# Altium PCB WX0.011.103PCB-4.2 .PcbDoc (part 2 of 2)
Units mil, origin at the board's own origin, x right, y up, seen from the top; angles counter-clockwise.
Board outline 10250.25 x 3401.14 mil, 2 copper layers (Top Layer, Bottom Layer); 158 components, 98 nets, 538 pads, 319 vias.
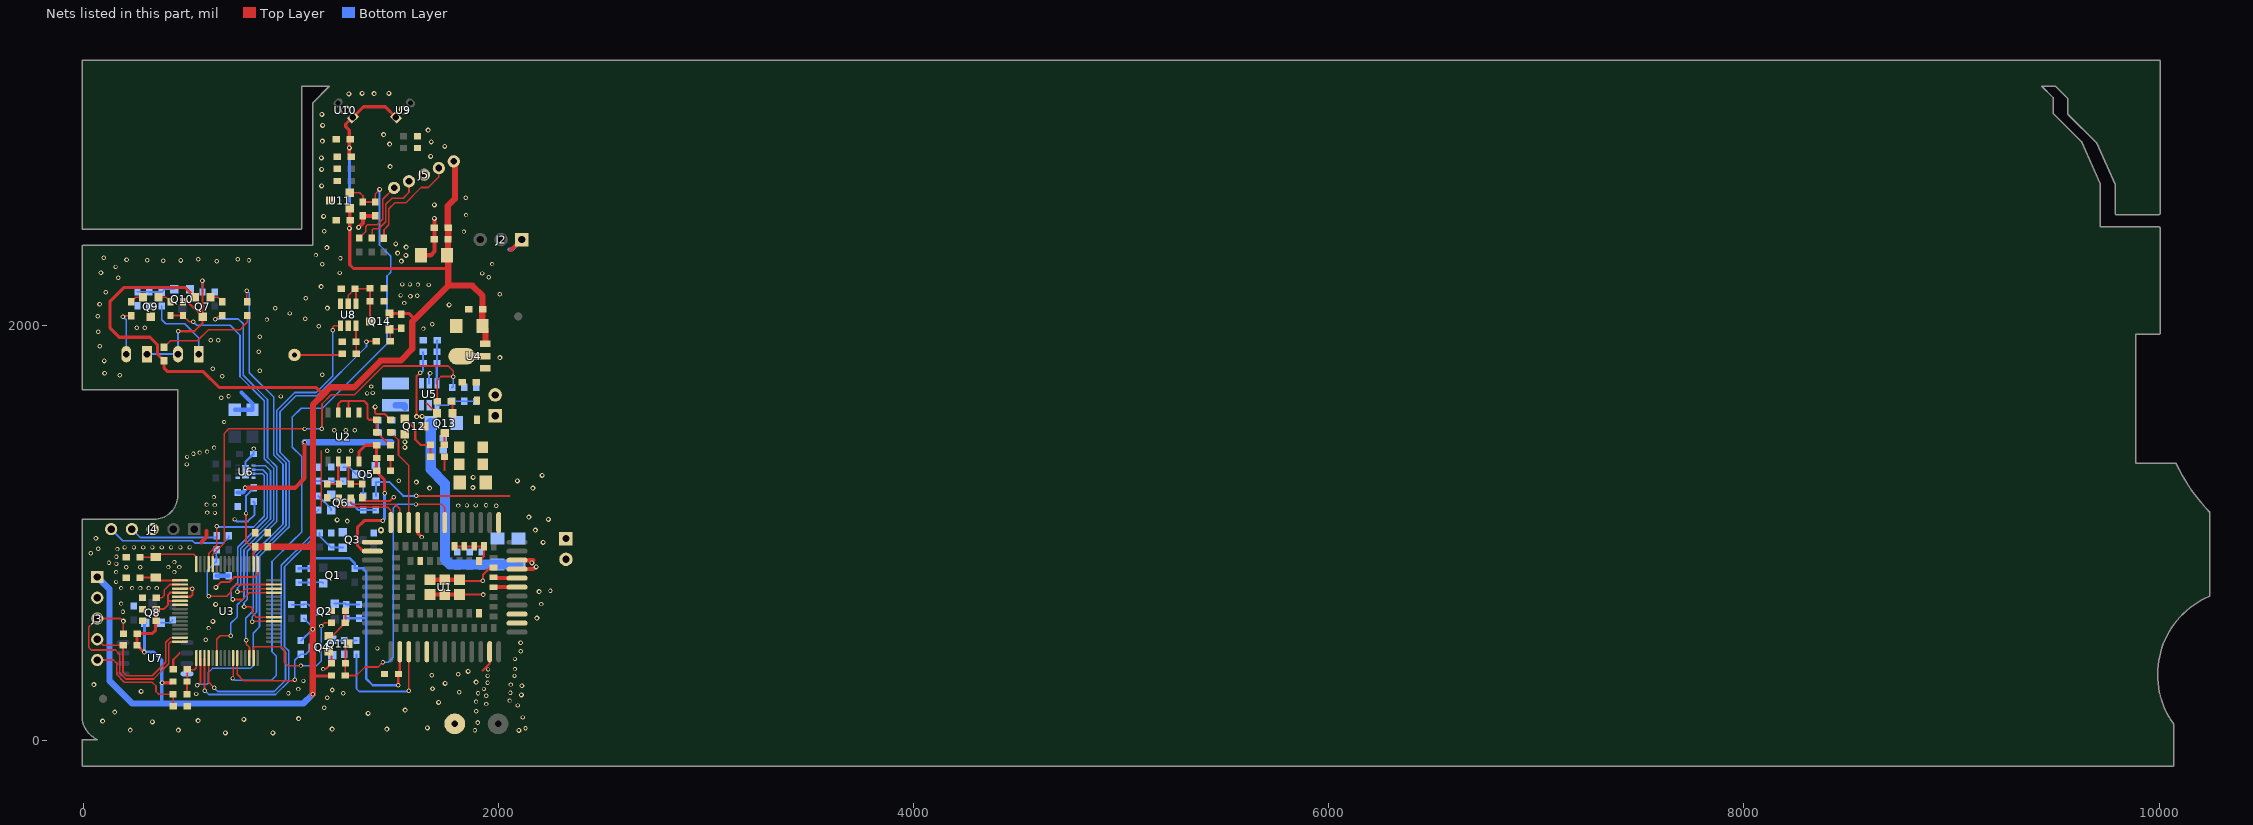
[diagram p2: the nets of this part, all layers, seen from the top]

## Via types
v1: diameter 22, hole 12, Top Layer to Bottom Layer, tented both sides, 121 vias
v2: diameter 20, hole 12, Top Layer to Bottom Layer, tented both sides, 109 vias
v3: diameter 24, hole 12, Top Layer to Bottom Layer, tented both sides, 87 vias
v4: diameter 30, hole 15, Top Layer to Bottom Layer, tented both sides, 1 vias
v5: diameter 21, hole 12, Top Layer to Bottom Layer, tented both sides, 1 vias

## Nets (pads, with @x,y where several pads share a name; then routed paths per layer and width w, separated by ;. In a path a pad name is that pad's centre, name@x,y a point inside that pad or via, vN(x,y) a via of type N, cw(c..) or ccw(c..) an arc to the next point about the centre after c; other vN are vias at no path point) (continued)
GND: C1.1 C2.1 C3.1 C4.1 C5.1 C8.1 C9.1 C10.1 C11.1 C12.1 C13.1 C14.1 C15.2 C16.1 C17.1 C18.1 C19.1 C20.1 C21.1 C22.1 C23.1 C24.1 C25.1 C26.1 C27.1 C29.1 C30.1 C31.1 C32.1 C33.1 C34.1 C35.1 C36.2 C37.1 C38.1 C39.1 C40.1 C41.1 C42.1 C43.2 C44.2 C47.2 C48.1 C49.1 C50.1 C51.1 C52.2 C53.2 C54.1 C55.2 C56.2 C57.2 C58.2 C59.2 C60.1 C61.1 C62.2 D3.1 E1.2 J1.2 J2.1 J3.2 J4.3 J5.3 P1.2 Q3.2 Q4.2 Q6.2 Q9.3 Q10.2 Q11.2 Q13.2 R10.1 R12.1 R13.1 R24.2 R27.1 R28.1 R36.1 R37.1 R44.1 U1.1 U1.10 U1.27 U1.34 U1.36 U1.37 U1.40 U1.41 U1.45 U1.46 U1.47 U1.48 U1.70 U1.71 U1.72 U1.73 U1.88 U1.89 U1.90 U1.91 U1.92 U1.93 U1.94 U1.95 U2.1 U3.33 U3.51 U3.53 U4.1 U5.2 U6.9 U7.4 U8.2 U8.6 U9.2 U10.2 U11.3 | length 3819.9
  Top Layer w8: 1147.06,1123.53 1147.06,1395.53
  Top Layer w10: C18.1@434.26,343.23 434.26,389.74 465.06,420.53 ; U3.53@466.69,692.64 517.17,692.64 527.06,702.53 527.06,722.53 517.58,732.01 U3.51@466.69,732.01 ; v3(639.06,737.53) 666.06,764.53 705.3,764.53 728.15,787.38 823.91,787.38 840.7,804.17 U3.33@840.7,850.11 ; v2(1156.06,344.53) 1168.82,344.53 C50.1@1196.82,372.53 1196.82,415.13 Q11.2@1182.82,429.13 ; C12.1@1345.06,1169.29 1359.82,1154.53 1478.06,1154.53 v1(1496.06,1172.53) ; v3(1407.06,1607) 1407.06,1579 1413.03,1573.03 1453.66,1573.03 C14.1@1481.16,1545.53 ; C10.1@1481.16,1299.53 C11.1@1481.16,1361.03 ; 1655.06,1624 1702.82,1576.24 Q13.2@1704.66,1576.24 ; U1.48@1789.31,935.82 U1.47@1836.55,935.82 U1.46@1883.8,935.82 U1.45@1931.04,935.82 1931.04,888.57 U1.73@1907.42,864.95 ; U1.94@1802.06,703.53 U1.94@1812.93,703.53 v1(1928.06,703.53) ; U1.89@1812.93,774.4 1817.8,769.53 v1(1926.06,769.53) 1926.06,798.53 1960.98,833.46 U1.72@1976.32,833.46 ; 1925.06,337.53 1958.6,371.07 U1.34@1958.6,427.94
  Top Layer w15: U1.10@1612.14,1049.99 1612.14,999.46 v2(1631.06,980.53)
  Top Layer w20: 570.66,955.5 595.06,979.9 595.06,1009 ; v3(1327.06,2471.53) 1348.06,2492.53 C58.2@1348.06,2527.53 C57.2@1403.06,2527.53 ; C49.1@1627.38,2337.99 1674.99,2337.99 1692.06,2355.06 v3(1692.06,2515) ; U1.92@1671.2,703.53 U1.93@1742.06,703.53 U1.94@1802.06,703.53 ; U1.91@1671.2,774.4 U1.90@1742.06,774.4 U1.89@1812.93,774.4 ; U1.70@1976.32,738.97 U1.40@2090.49,738.97 U1.40@2104.49,738.97 ; U1.71@1976.32,786.21 1980.25,782.27 U1.41@2090.49,782.27 U1.41@2104.49,782.27 ; 2061.91,2362.39 J2.1@2113.06,2413.53
  Bottom Layer w10: v2(730.06,1065.53) 740.06,1055.53 793.01,1055.53 826.06,1088.58 826.06,1146.04 C35.1@821.06,1151.04 ; U6.9@782.46,1295.05 782.46,1342.44 C37.1@820.55,1380.53 820.55,1405.03 v2(822.06,1406.53) ; C26.1@1420.06,1542.53 1420.06,1484.04 C27.1@1421.57,1482.53 ; U5.2@1666.06,1720.53 1666.06,1763.53 v1(1671.06,1768.53) ; 2048.06,2365.53 2054,2365.53
  Bottom Layer w20: C47.2@642.06,793.03 642.57,793.53 C48.1@701.06,793.53 ; R36.1@731.06,1593.53 R37.1@816.06,1593.53 816.06,1623.53 763.06,1676.53 ; 2054,2365.53 2065.06,2365.53 J2.1@2113.06,2413.53
  other v1: 153.06,137.53 1162.06,158.53 1175.06,205.53 1253.06,227.53 1811.06,233.53 1200.06,243.53 1683.06,249.53 1680.06,314.53 1807.06,318.53 2108.06,430.53 2107.06,470.53 526.29,732.01 208.06,835.53 37.06,902 73.06,923.53 62.06,973.53 1273.06,1057.53 1223.06,1062.53 1520.06,1252.53 1177.06,1395.53 1234.06,1395.53 1291.06,1395.53 1210.06,1494.53 1265.06,1495.53 1309.06,1495.53 666.06,1651.53 671.06,1754.53 177.06,1760.53 1152.06,1762.53 103.06,1768.53 850.06,1780.53 624.06,1790.53 101.06,1828.53 847.06,1873.53 81.06,1898.53 615.06,1927.53 651.06,1927.53 851.06,1945.53 73.06,1968.53 296.06,1987.53 258.06,1989.53 1136.06,1996.53 1681.06,2005.53 1071.06,2031.53 71.06,2043.53 926.06,2082.53 79.06,2101.53 1072.06,2131.53 1577.06,2139.53 1610.06,2143.53 2006.06,2150.53 108.06,2158.53 169.06,2228.53 1954.06,2231.53 86.06,2252.53 1151.06,2294.53 643.06,2308.53 387.06,2310.53 471.06,2312.53 308.06,2314.53 209.06,2316.53 555.06,2317.53 744.06,2318.53 100.06,2326.53 1162.06,2453.17 1843.06,2614.53
  other v2: 1887.06,49.53 2131.06,59.53 2118.06,111.53 1894.06,141.53 2094.06,169.53 1942.06,175.53 1893.06,187.53 2054.06,192.53 1942.06,215.53 545.06,224.53 989.06,227.53 1903.06,227.53 2058.06,230.53 1036.06,247.53 1931.06,248.53 2060.06,269.53 1948.06,278.53 1061.06,287.53 1948.06,311.53 2078.06,311.53 1951.06,342.53 2080.06,344.53 2080.06,393.53 1418.06,443.53 591.06,485.53 604.06,541.53 192.06,620.53 2207.06,657.53 183.06,659.53 2251.06,721.53 183.06,734.53 236.06,734.53 275.73,734.53 315.4,734.53 355.06,734.53 159.06,764.53 159.06,811.53 440.06,811.53 275.06,834.53 411.06,835.53 463.06,835.53 160.06,850.53 124.06,856.53 440.06,859.53 160.06,885.53 165.06,922.53 200.06,930.53 244.78,930.53 289.49,930.53 334.21,930.53 378.92,930.53 423.63,930.53 468.35,930.53 513.06,930.53 635.06,1096.53 598.06,1098.53 1990.06,1131 1807.06,1131.53 1849.06,1132.53 1891.06,1132.53 1941.06,1133.53 634.06,1134.53 595.06,1136.53 630.06,1172.53 499.06,1330 501.06,1366 531.06,1381.53 561.06,1387 597.06,1392 631.06,1411.53 679.06,1534.53 952.06,1657.53 701.06,1658.53 1368.06,1672 1395.06,1675 1388.06,1705.53 1639.06,1984.53 885.06,2027.53 995.06,2057.53 1547.06,2107.53 1529.06,2144.53 1665.06,2194.53 1613.06,2196.53 1537.06,2197.53 1574.06,2197.53 1923.06,2250.53 1236.06,2252.53 156.06,2281.53 1970.06,2295.53 799.06,2313.53 1239.06,2323.53 1121.06,2338.17 1834.06,2452 1845.06,2531
  other v3: 685.06,36.53 914.06,37.53 2099.06,49 227.06,50.53 459.06,50.53 1200.06,55.53 1463.06,55.53 1658.06,61.53 1901.06,86.53 334.06,90.53 94.06,93.53 554.06,95.53 774.06,101.53 1038.06,105.53 1373.06,130.53 1551.06,146.53 1712.06,183.53 2111.06,220.53 279.06,236.53 2113.06,264 52.06,269.53 1744.06,275.53 1893.06,281.53 1855.06,333.53 625.06,574.53 2186.06,590 638.06,655.53 2197.06,718 2216.06,955 2179.06,1014 2241.06,1065 2147.06,1076 1669.06,1216 2167.06,1216 1877.06,1219 1605.06,1245 2092.06,1251 1879.06,1268 2211.06,1277 2007.06,1844.53 1177.06,2082.53 1763.06,2098.53 1146.06,2186.53 1533.06,2309 1554.57,2337.61 1515.44,2348.33 1174.06,2374 1556,2377 1506.07,2393 1159.06,2525.17 1692.08,2580 1149.06,2671.53 1149.06,2751.53 1479.06,2764.53 1148.06,2806.53 1674.06,2813.53 1742.06,2862.53 1476.06,2873.53 1677.06,2883.53 1152.06,2887.53 1447.06,2918.53 1662.06,2940.53 1154.06,2963.53 1150.06,3016.53 1280.06,3115.53 1402.06,3116.53 1344.06,3117.53 1473.06,3117.53
  other v4: 1435.06,1013.53
IR_EN: R33.1 U3.23 | length 1866.2
  Top Layer w8: v1(637.06,2030.53) 639.06,2030.53 655.82,2047.29 R33.1@671.06,2047.29 ; v1@774.06,650.11 v1@779.64,644.53 ; v1(775.06,644.53) v1@779.64,644.53 ; U3.23@919.43,594.21 834.81,594.21 826.49,602.53 826.06,602.53 816.06,612.53 816.06,635.53 807.06,644.53 v1@779.64,644.53
  Bottom Layer w8: v1(637.06,2030.53) 748.06,2030.53 771.06,2007.53 771.06,1759.96 888.06,1642.96 888.06,1363.39 932.56,1318.89 932.56,1055.07 790.06,912.57 790.06,679.53 775.06,664.53 v1(775.06,644.53)
IR_TX: R35.1 R40.1 U3.6 | length 2140.3
  Top Layer w8: R40.1@421.06,2047.29 R35.1@481.06,2047.29 510.82,2017.53 v1(530.06,2017.53) ; U3.6@643.85,397.37 643.85,488.32 660.06,504.53 v1(711.06,504.53)
  Bottom Layer w8: v1(530.06,2017.53) 547.06,2000.53 708.06,2000.53 756.06,1952.53 756.06,1753.75 873.06,1636.75 873.06,1357.18 917.56,1312.68 917.56,1061.28 775.06,918.78 775.06,685.75 763.85,674.53 762.64,674.53 742.06,653.96 742.06,595.53 711.06,564.53 v1(711.06,504.53)
KEY: U3.22 U8.1 | length 1824.6
  Top Layer w8: v1@812.06,574.53 U3.22@919.43,574.53 ; v1(1202.06,1976) 1202.06,1991 1209.6,1998.53 U8.1@1239.56,1998.53
  Bottom Layer w8: v1(814.06,572.53) 814.06,597.75 835.06,618.75 835.06,893.93 976.13,1035 976.79,1035 977.56,1035.77 977.56,1337.53 933.06,1382.03 933.06,1590.03 1019.57,1676.53 1122.38,1676.53 1202.06,1756.21 v1(1202.06,1976)
KEY_VCC: R41.2 U3.2 | length 2406.8
  Top Layer w8: v1(550.06,266.53) 565.11,281.58 U3.2@565.11,397.37 ; v1(1365.06,1922) 1366.06,1923 R41.2@1412.06,1923
  Bottom Layer w8: v1(550.06,266.53) 554.06,270.53 596.06,270.53 603.06,277.53 603.06,327.53 623.06,347.53 806.06,347.53 819.06,360.53 819.06,516.96 850.06,547.96 850.06,887.72 982.35,1020 983,1020 992.56,1029.56 992.56,1343.74 948.06,1388.24 948.06,1583.81 1025.78,1661.53 1128.6,1661.53 1365.06,1898 v1(1365.06,1922)
LED0: R29.2 U3.14 | length 1977.2
  Top Layer w8: v1(786.06,482.53) 786.06,464.53 801.33,449.26 U3.14@801.33,397.37 ; v1(789.06,2167.53) 789.06,2116.29 R29.2@791.06,2114.29
  Bottom Layer w8: v1(786.06,482.53) 784.06,484.53 784.06,588.96 820.06,624.96 820.06,900.14 962.56,1042.64 962.56,1331.32 918.06,1375.82 918.06,1655.39 801.06,1772.39 801.06,2155.53 v1(789.06,2167.53)
MI_CTL: C57.1 C58.1 U3.10 U11.2 | length 3255.4
  Top Layer w8: v2@722.59,299.53 U3.10@722.59,397.37 ; U11.2@1284.31,2638.94 1332.13,2638.94 1348.06,2623 C58.1@1348.06,2594.53 C57.1@1408.06,2594.53 1408.06,2634 1428.06,2654 v3(1428.06,2655)
  Bottom Layer w8: v2(720.06,299.53) 729.06,290.53 907.49,290.53 930.06,313.11 930.06,407.32 910.06,427.32 910.06,862.86 1007.2,960 1007.86,960 1052.56,1004.71 1052.56,1368.6 1008.06,1413.1 1008.06,1558.96 1050.64,1601.53 1153.45,1601.53 1464,1912.08 1464,2238.05 1482.06,2256.11 1482.06,2333 1428.06,2387 v3(1428.06,2655)
NetC6_1: C6.1 Q1.1 R3.2 | length 119.8
  Bottom Layer w8: R3.2@1039.06,761.2 1096.31,761.2 C6.1@1097.06,761.96 1152.66,761.96 Q1.1@1156.82,757.8
NetC7_2: C7.2 Q2.1 R4.1 | length 118.9
  Bottom Layer w10: Q2.1@1212.31,659.27 1263.66,659.27 R4.1@1268.06,654.87 1328.31,654.87 C7.2@1329.06,655.62
NetC12_2: C12.2 R15.1 U2.7 | length 169.3
  Top Layer w10: U2.7@1279.06,1344.53 1279.06,1245.87 R15.1@1289.4,1235.53 1344.31,1235.53 C12.2@1345.06,1236.29
NetC13_2: C13.2 R16.1 U2.6 | length 167.1
  Top Layer w10: C13.2@1175.06,1236.29 R16.1@1227.06,1236.29 ; U2.6@1229.06,1344.53 1229.06,1238.29 R16.1@1227.06,1236.29 ; R16.1@1232.73,1235.53 1231.98,1236.29 R16.1@1227.06,1236.29
NetC14_2: C14.2 R14.1 R17.1 U2.2 U2.3 | length 515.7
  Top Layer w10: U2.3@1229.06,1580.76 1229.06,1621.53 1243.06,1635.53 1279.06,1635.53 ; U2.2@1279.06,1580.76 1279.06,1635.53 ; R14.1@1480.92,1422.53 1477.42,1422.53 R17.1@1414.92,1485.03 1414.16,1485.79 C14.2@1414.16,1545.53 1376.53,1545.53 1370.06,1552 1370.06,1619 1353.53,1635.53 1279.06,1635.53
NetC15_1: C15.1 D1.2 U4.2
NetC23_2: C23.2 U3.50 | length 155.5
  Top Layer w8: C23.2@352.57,688.53 380.06,688.53 390.06,698.53 390.06,724.53 417.22,751.69 U3.50@466.69,751.69
NetC28_1: C28.1 R25.1 R28.2 U5.3 | length 208.2
  Bottom Layer w10: U5.3@1703.56,1720.53 1703.56,1814.93 C28.1@1705.16,1816.53 1705.16,1872.29 R25.1@1704.92,1872.53 1704.92,1926.53 R28.2@1705.92,1927.53
NetC32_2: C32.2 R26.2 R27.2 U5.4 | length 197.5
  Bottom Layer w8: U5.4@1704.56,1616 1761.03,1616 R26.2@1779.06,1634.03 1836.07,1634.03 C32.2@1836.56,1634.53 1893.33,1634.53 R27.2@1894.06,1633.79
NetC39_2: C39.2 C61.2 C62.1 Q14.3 U8.4 U8.5 | length 394.7
  Top Layer w8: U8.5@1277.06,2103.53 1277.06,2144 C62.1@1310.06,2177 ; U8.4@1314.56,2103.53 1314.56,2172.5 C62.1@1310.06,2177 ; Q14.3@1381.82,2019 1381.82,2178.76 1380.06,2177 C62.1@1310.06,2177
NetC40_2: C40.2 R50.2 U8.3 | length 135.3
  Top Layer w8: U8.3@1314.56,1998.53 1314.56,1921.03 C40.2@1315.06,1920.53 1315.06,1863.78 R50.2@1315.31,1863.53
NetC44_1: C44.1 Q10.1 R42.1 R44.2 | length 184
  Bottom Layer w8: R44.2@262.06,2161.27 318.31,2161.27 C44.1@319.06,2160.52 378.57,2160.52 R42.1@379.06,2160.02 393.31,2174.27 Q10.1@439.66,2174.27
NetC60_2: C60.2 J3.5 R30.2 | length 539.9
  Top Layer w8: J3.5@68.05,387.85 146.75,387.85 162.06,372.53 162.06,318.11 198.64,281.53 332.06,281.53 351.06,262.53 351.06,236.58 364.06,223.58 R30.2@433.51,223.58 434.06,223.02 C60.2@434.06,164.53
NetD4_2: D4.2 R29.1 | length 483.5
  Top Layer w8: D4.2@390.06,1894.53 421.06,1925.53 550.28,1925.53 604.28,1979.53 756.06,1979.53 791.06,2014.53 R29.1@791.06,2047.29
NetD6_1: D6.1 R42.2 | length 358.6
  Bottom Layer w8: R42.2@379.06,2093.02 379.06,2026.53 398.06,2007.53 489.06,2007.53 557.2,1939.39 D6.1@557.2,1861.53
NetD6_2: D6.2 D7.1 Q7.3 R35.2 R39.2 | length 808.1
  Top Layer w10: D6.2@457.06,1868.53 D6.2@457.06,1881.53 ; v1(459.06,1971.53) 536.18,1971.53 576.06,2011.42 Q7.3@576.06,2041.29 ; R35.2@481.06,2114.29 503.06,2114.29 Q7.3@576.06,2041.29 ; v1@574.06,2216.53 v1(575.06,2215.53) 576.06,2214.53 Q7.3@576.06,2041.29
  Bottom Layer w10: D7.1@292.06,1868.53 D7.1@300.06,1868.53 ; D7.1@300.06,1861.53 D7.1@307.95,1861.53 D6.2@457.2,1861.53 457.2,1969.68 v1(459.06,1971.53) ; R39.2@575.06,2161.02 v1(575.06,2215.53)
NetD7_2: D7.2 R43.2 | length 228.1
  Top Layer w8: v1(192.06,2042.53) 195.82,2046.29 R43.2@231.06,2046.29
  Bottom Layer w8: v1(192.06,2042.53) 207.95,2026.64 D7.2@207.95,1861.53
NetJ4_4: J4.4 R48.2 | length 433.3
  Bottom Layer w8: J4.4@235.06,1018.53 275.59,978.01 643.06,978.01 R48.2@643.06,986.53
NetJ4_5: J4.5 R49.2 | length 614.1
  Bottom Layer w8: J4.5@135.06,1018.53 191.06,962.53 526.07,962.53 537.07,951.53 676.06,951.53 701.06,976.53 R49.2@701.06,986.53
NetJ5_2: J5.2 R45.2 | length 499.2
  Top Layer w8: R45.2@1449.06,2420 1449.06,2460 1473.06,2484 1473.06,2562 1502.06,2591 1555.06,2591 1628.06,2664 1663,2664 1713.67,2714.67 J5.2@1713.67,2758.12
NetJ5_4: J5.4 R46.2 | length 394
  Top Layer w8: R46.2@1391.06,2421 1391.06,2432 1393.06,2434 1393.06,2460 1398.56,2465.5 1424.56,2465.5 1458.06,2499 1458.06,2583 1488.06,2613 1542.06,2613 1569.81,2640.75 J5.4@1569.81,2694.07
NetJ5_5: J5.5 R47.2 | length 337.7
  Top Layer w8: R47.2@1330.06,2421 1361.06,2452 1361.06,2475 1370.06,2484 1416.46,2484 1443.06,2510.61 1443.06,2607.23 J5.5@1497.88,2662.04
NetKT1_1: KT1.1 R50.1 | length 232.6
  Top Layer w10: KT1.1@1018.21,1857.6 1242.37,1857.6 R50.1@1248.31,1863.53
NetL1_2: L1.2 U5.1
NetQ2_3: Q2.3 R6.2 R7.1 | length 129.3
  Bottom Layer w8: R7.1@1003.06,654.87 1062.06,654.87 R6.2@1063.06,655.87 1083.82,655.87 Q2.3@1117.82,621.87
NetQ3_1: Q3.1 R9.1 R10.2 | length 149.7
  Bottom Layer w10: R9.1@1139.06,999.53 1139.06,984.53 1194.46,929.13 Q3.1@1250.82,929.13
NetQ4_1: Q4.1 R11.2 R12.2 | length 118.2
  Bottom Layer w10: Q4.1@1200.31,485.94 1203.71,482.53 R12.2@1257.06,482.53 R11.2@1317.06,482.53
NetQ5_1: Q5.1 R20.2 | length 168.4
  Bottom Layer w8: R20.2@1350.06,1177.53 1350.06,1260.69 Q5.1@1410.31,1320.94
NetQ5_3: Q5.3 R22.1 | length 76.4
  Bottom Layer w8: R22.1@1253.06,1316.53 1282.82,1316.53 Q5.3@1315.82,1283.53
NetQ6_1: Q6.1 R21.2 | length 93.6
  Bottom Layer w10: R21.2@1134.06,1177.53 1194.82,1116.78 Q6.1@1194.82,1109.13
NetQ6_3: Q6.3 R19.1 R20.1 | length 135.7
  Bottom Layer w10: Q6.3@1289.31,1146.53 1325.31,1110.53 R20.1@1350.06,1110.53 R19.1@1410.06,1110.53
NetQ7_1: Q7.1 R33.2 | length 66.5
  Top Layer w8: Q7.1@613.46,2135.78 649.57,2135.78 R33.2@671.06,2114.29
NetQ8_1: Q8.1 R38.2 | length 64.1
  Bottom Layer w8: Q8.1@373.46,567.29 418.82,567.29 R38.2@432.06,580.53
NetQ9_1: Q9.1 R40.2 | length 66.5
  Top Layer w8: Q9.1@363.46,2135.78 399.57,2135.78 R40.2@421.06,2114.29
NetQ9_2: Q9.2 R43.1 | length 66.9
  Top Layer w8: R43.1@231.06,2113.29 253.55,2135.78 Q9.2@288.66,2135.78
NetQ11_1: Q11.1 R13.2 R51.1 | length 165
  Top Layer w8: Q11.1@1182.82,503.94 1199.46,503.94 R51.1@1263.06,567.53 1264.06,568.53 R13.2@1264.06,625.53
NetQ12_1: Q12.1 R23.1 R31.2 | length 262.1
  Top Layer w10: Q12.1@1549.06,1550.8 1600.06,1499.8 1600.06,1450 1626.06,1424 R31.2@1673.06,1424 1674.06,1423 R23.1@1674.06,1368
NetQ13_1: Q13.1 R32.1 | length 58.4
  Top Layer w10: Q13.1@1779.46,1576.24 1779.46,1632.4 R32.1@1781.06,1634
NetQ13_3: Q13.3 R31.1 | length 58.6
  Top Layer w10: R31.1@1740.06,1424 1740.06,1479.76 Q13.3@1742.06,1481.76
NetQ14_1: Q14.1 R34.1 R41.1 | length 117.3
  Top Layer w8: R41.1@1479.06,1923 1479.06,1978.84 Q14.1@1476.31,1981.6 1527.66,1981.6 R34.1@1532.06,1986
OPEN: C47.1 R48.1 U3.31 | length 591.4
  Top Layer w8: v1(606.06,695.53) 692.47,695.53 713.56,716.63 713.56,728.96 736.3,751.69 U3.31@919.43,751.69
  Bottom Layer w8: v1(606.06,695.53) 598.06,703.53 598.06,818.8 639.29,860.03 C47.1@642.06,860.03 642.06,918.53 R48.1@643.06,919.53
OUT_A: U3.29 U6.6 | length 959.8
  Top Layer w8: v1(720.06,679.53) 767.64,679.53 800.43,712.32 U3.29@919.43,712.32
  Bottom Layer w8: v1@713.56,685.03 713.56,728.96 745.06,760.46 745.06,931.21 887.56,1073.71 887.56,1283.03 865.7,1304.9 U6.6@819.87,1304.9
OUT_B: U3.30 U6.5 | length 923.9
  Top Layer w8: v1(743.56,716.53) 769.06,716.53 784.54,732.01 U3.30@919.43,732.01
  Bottom Layer w8: v1(743.56,716.53) 743.56,735.03 760.06,751.53 760.06,925 902.56,1067.5 902.56,1299.03 877.02,1324.58 U6.5@819.87,1324.58
OUT_EN: U3.45 U6.7 | length 693.8
  Top Layer w8: U3.45@604.48,850.11 604.48,901.48 644,941 v1(644,1031.64)
  Bottom Layer w8: v1@651,1028.53 821.17,1028.53 872.56,1079.92 872.56,1276.82 864.17,1285.22 U6.7@819.87,1285.22
PWR_EN: R26.1 R32.2 U3.44 | length 2243.4
  Top Layer w8: U3.44@624.16,850.11 624.16,896.16 680.06,952.06 680.06,1479.53 702.06,1501.53 v2(1067.06,1501.53) ; v1(1150.56,1502.03) 1151.06,1502.53 1151.06,1621.53 1196.06,1666.53 1307.06,1666.53 1445.06,1804.53 1759.06,1804.53 1783.06,1780.53 v1(1783.06,1753.53) 1723.6,1753.53 1706.06,1736 R32.2@1706.06,1634
  Bottom Layer w8: v2@1062.56,1502.03 1063.06,1501.53 v2(1067.06,1501.53) 1150.06,1501.53 v1(1150.56,1502.03) ; R26.1@1777.06,1701.03 R26.1@1778.06,1702.03 ; R26.1@1779.06,1701.03 1783.06,1705.03 v1(1783.06,1753.53)
PWRKEY: C50.2 Q11.3 R52.1 U1.7 | length 1479
  Top Layer w8: C50.2@1263.06,372.53 R52.1@1263.06,313.53 1317.06,313.53 1358.06,354.53 1421.06,354.53 v2(1444.06,377.53) ; C50.2@1263.82,372.53 1263.82,453.04 Q11.3@1277.31,466.53 ; v2(1603.08,1137.53) 1727.06,1137.53 1742.06,1122.53 U1.7@1742.06,1049.99
  Bottom Layer w8: v2(1444.06,377.53) 1470.29,377.53 1494.06,401.31 1494.06,1120.53 1511.06,1137.53 v2(1603.08,1137.53)
PWRKEY_MCU: R51.2 U3.15 | length 683.4
  Top Layer w8: U3.15@821.01,397.37 821.01,445.95 827.6,452.53 955.06,452.53 970.06,437.53 970.06,377.53 986.6,361 v2(1049.06,361) ; v2(1147.06,551.53) 1163.06,567.53 R51.2@1196.06,567.53
  Bottom Layer w8: v2(1049.06,361) 1124.53,361 1147.06,383.53 v2(1147.06,551.53)
RESET: C18.2 R18.1 R30.1 U3.1 | length 216
  Top Layer w8: R30.1@500.51,223.58 R18.1@500.51,284.4 501.26,285.16 C18.2@501.26,343.23 503.96,340.53 535.06,340.53 545.42,350.89 U3.1@545.42,397.37
SIM_CLK: R16.2 U1.13 | length 351
  Top Layer w8: R16.2@1232.73,1168.53 1232.73,1137.87 1247.06,1123.53 1467.53,1123.53 1482.22,1108.84 U1.13@1482.22,1049.99
SIM_DATA: R17.2 U1.11 | length 471
  Top Layer w8: R17.2@1481.92,1485.03 1519.06,1447.89 1519.06,1375 1568.83,1325.23 U1.11@1568.83,1049.99
SIM_DTE: U1.79
SIM_RST: R15.2 U1.12 | length 338.8
  Top Layer w8: R15.2@1289.4,1168.53 1289.4,1144.2 1295.06,1138.53 1504.06,1138.53 1525.53,1117.07 U1.12@1525.53,1049.99
SIM_VDD: C10.2 C11.2 R14.2 U1.14 U2.8 | length 835.8
  Top Layer w15: U2.8@1331.06,1342.53 U2.8@1329.06,1344.53 1329.06,1391.53 1360.06,1422.53 R14.2@1413.92,1422.53 1413.92,1361.28 C11.2@1414.16,1361.03 C10.2@1414.16,1299.53 1414.16,1293.43 1452.06,1255.53 v1(1452.06,1191.53) ; U1.14@1393.64,912.2 1349.4,912.2 1322.06,939.53 1322.06,1027.53 1354.06,1059.53 v1(1444.06,1059.53)
  Bottom Layer w15: v1(1444.06,1059.53) 1452.06,1067.53 v1(1452.06,1191.53)
STATE: R11.1 U1.25 | length 612.4
  Top Layer w8: v1(1568.06,239.53) 1568.83,240.31 U1.25@1568.83,427.94
  Bottom Layer w8: R11.1@1317.06,415.53 1317.06,249.53 1330.06,236.53 1565.06,236.53 v1(1568.06,239.53)
STATE_MCU: Q4.3 R8.1 U3.11 | length 575.3
  Top Layer w8: U3.11@742.27,397.37 742.27,318.91 772.65,288.53 1015.06,288.53 v1(1020.06,293.53)
  Bottom Layer w8: v1(1020.06,293.53) 1020.06,386.53 R8.1@1049.06,415.53 1072.82,415.53 Q4.3@1105.82,448.53
STATUS: U3.55
SVS: C22.2 R22.2 R24.1 U3.4 | length 1702
  Top Layer w8: U3.4@604.48,397.37 604.48,281.11 v1(632.06,253.53)
  Bottom Layer w8: v1(632.06,253.53) 649.06,236.53 920.7,236.53 975.06,290.89 975.06,425.96 955.06,445.96 955.06,844.23 1025.84,915 1026.5,915 1097.56,986.07 1097.56,1233.28 1114.82,1250.53 C22.2@1134.82,1250.53 ; C22.2@1134.06,1249.78 C22.2@1134.82,1250.53 ; R22.2@1253.06,1249.53 1195.56,1249.53 R24.1@1194.56,1250.53 C22.2@1134.82,1250.53
SVS_EN: R21.1 U3.3 | length 1497.8
  Top Layer w8: U3.3@584.79,397.37 584.79,241.8 v1(586.06,240.53)
  Bottom Layer w8: v1(586.06,240.53) 605.06,221.53 926.92,221.53 990.06,284.68 990.06,432.17 970.06,452.17 970.06,838.01 1032.05,900 1032.71,900 1112.56,979.85 1112.56,1089.03 R21.1@1134.06,1110.53
SWCLK: J3.4 R2.1 U3.63 | length 680.6
  Top Layer w8: J3.4@68.05,487.85 97.37,458.53 R2.1@193.06,458.53 192.06,457.53 192.06,330.53 211.06,311.53 332.8,311.53 398.06,376.8 398.06,472.79 421.06,495.79 U3.63@466.69,495.79
SWDIO: J3.3 R1.1 U3.64 | length 1033.6
  Top Layer w8: R1.1@194.06,515.53 v3(194.06,575.53) 181.75,587.85 J3.3@68.05,587.85 27.53,547.32 27.53,448.07 39.06,436.53 156.06,436.53 177.06,415.53 177.06,324.32 204.85,296.53 339.01,296.53 413.06,370.59 413.06,466.53 422.63,476.1 U3.64@466.69,476.1
VBAT: D1.1 D2.1 D3.2 J1.1 P1.1 Q5.2 R19.2 | length 740.9
  Top Layer w10: v1(1604.08,1178.53) 1605.08,1177.53 2054.06,1177.53
  Bottom Layer w10: R19.2@1410.06,1177.53 1410.31,1177.78 Q5.2@1410.31,1246.13 1474.46,1246.13 1542.06,1178.53 v1(1604.08,1178.53)
VCC: C16.2 C17.2 C20.2 C21.2 C24.2 C25.2 C35.2 C41.2 C42.2 C49.2 C51.2 C54.2 C59.1 D4.1 J3.1 J5.1 Q7.2 Q8.2 Q14.2 R1.2 R2.2 R6.1 R8.2 R18.2 R34.2 R52.2 U3.34 U3.52 U3.54 U4.3 U6.8 U9.1 U10.1 U11.1 | length 10453.3
  Top Layer w10: C20.2@352.57,633.03 388.56,633.03 409.48,653.95 409.48,672.95 ; U3.54@466.69,672.95 409.48,672.95 ; U3.52@466.69,712.32 419.85,712.32 409.48,701.95 409.48,672.95 ; v2(785.06,1094.53) 785.06,957.53 809.06,933.53 C24.2@829.06,933.53 ; U3.34@821.01,850.11 C24.2@821.01,925.48
  Top Layer w15: v1(295.06,426.53) 292.06,426.53 R2.2@260.06,458.53 260.06,514.53 R1.2@261.06,515.53 333.56,515.53 349.56,531.53 349.56,574.53 C21.2@352.57,577.53 C20.2@352.57,633.03 ; v1(380.06,278.53) 427.64,278.53 R18.2@433.51,284.4 ; Q7.2@538.66,2135.78 492.91,2181.53 195.06,2181.53 130.06,2116.53 130.06,1986.53 174.06,1942.53 322.06,1942.53 358.06,1906.53 358.06,1861.53 D4.1@390.06,1829.53 390.06,1794 407.06,1777 579.06,1777 654.53,1701.53 1121.06,1701.53 1155.56,1667.03 ; 1106.06,310.53 1193.06,310.53 R52.2@1196.06,313.53 ; C54.2@1282.06,2821.52 1282.06,2940 1265.06,2957 1265.06,2970 1296.53,3001.47 U10.1@1299.21,3001.47 1350.78,3053.04 1455.31,3053.04 U9.1@1506.89,3001.47 ; U11.1@1284.31,2564.13 1284.31,2292.29 1302.6,2274 1750.06,2274 1759.06,2265 ; Q14.2@1476.31,2056.4 1570.66,2056.4 1597.3,2029.77
  Top Layer w30: C24.2@829.06,933.53 C25.2@890.06,933.53 1107.06,933.53 ; v1(1106.06,223.53) 1106.06,310.53 v1(1106.06,536.53) 1107.06,537.53 1107.06,933.53 ; C42.2@1757.06,2471.49 1757.06,2575.53 1791.06,2609.53 1791.06,2784.69 J5.1@1785.61,2790.15 ; C49.2@1758.04,2339.01 C41.2@1758.04,2414.53 ; C41.2@1758.56,2415.04 C42.2@1758.56,2470 ; C49.2@1759.06,2337.99 1759.06,2191.53 ; U4.3@1938.06,1910.64 1938.06,1985.34 1922.87,2000.53 1922.87,2075.83 C17.2@1924.57,2077.53 1924.57,2142.03 1875.06,2191.53 1759.06,2191.53 ; 1107.06,933.53 1107.06,1618.53 1155.56,1667.03 1190.06,1701.53 1305.29,1701.53 1434.29,1830.53 1530.06,1830.53 1586.06,1886.53 1586.06,2018.53 1597.3,2029.77 1759.06,2191.53
  Bottom Layer w10: v2(785.06,1094.53) 785.06,1180.11 821.06,1216.11 C35.2@821.06,1218.04 ; R8.2@1049.06,482.53 1052.06,482.53 v1(1106.06,536.53) 1106.06,545.87 R6.1@1063.06,588.87
  Bottom Layer w15: Q8.2@298.66,567.29 295.06,563.69 v1(295.06,426.53) 340.42,426.53 379.06,387.89 379.06,178.53 ; v3(1283.06,2467) v3@1283.06,2854.97
  Bottom Layer w30: J3.1@68.05,787.85 127.06,728.84 127.06,287.53 236.06,178.53 379.06,178.53 1061.06,178.53 v1(1106.06,223.53)
  other v3: 1283.04,2855
VCC_3.8V: C1.2 C2.2 C3.2 C4.2 C5.2 C28.2 C29.2 C30.2 C31.2 Q12.3 R25.2 U1.42 U1.43 U5.5 | length 1558.8
  Top Layer w10: v5(1624.06,1772) 1606.06,1754 1606.06,1562 v3(1633.06,1562)
  Top Layer w20: U1.42@2090.49,825.58 2168.48,825.58 ; U1.43@2090.49,868.89 2168.17,868.89
  Bottom Layer w10: v5(1624.06,1772) 1628.06,1772 1638.16,1782.1 C28.2@1638.16,1816.53 1637.92,1816.78 R25.2@1637.92,1872.53
  Bottom Layer w50: C29.2@1674.37,1529.53 1674.37,1306.23 1743.06,1237.53 1743.06,872 1766.92,848.14 C5.2@1997.06,848.14 C4.2@2097.06,848.14
  other v3: 2182.06,837 2162.06,856 1607.06,1561
VCC_M: C19.2 C26.2 C27.2 C36.1 D2.2 L1.1 Q12.2 R23.2 U5.6 U6.1 | length 1089.4
  Top Layer w10: 1740.06,1302.53 1741.06,1303.53 R23.2@1741.06,1368
  Top Layer w20: v2(780.06,1217.53) 1021.06,1217.53 1067.06,1263.53 v2(1067.06,1437.53)
  Bottom Layer w20: C36.1@745.06,1195.03 768.87,1195.03 780.06,1206.22 v2(780.06,1217.53)
  Bottom Layer w30: v2(1067.06,1437.53) 1484.53,1437.53 ; L1.1@1505.06,1615.75 L1.1@1536.84,1615.75 ; L1.1@1536.84,1615.75 1546.84,1615.75 1550.06,1612.53 1550.06,1602.53 L1.1@1536.84,1615.75
  other v3: 1550.06,1412 1550.06,1439
VDD_EXT: C6.2 C7.1 C9.2 R3.1 R4.2 R5.2 U1.24 | length 1347.3
  Top Layer w12: v1(1518.06,266.53) 1519.06,267.53 C9.2@1519.06,320.53 1525.53,327 U1.24@1525.53,427.94
  Bottom Layer w12: R3.1@1039.06,828.2 1039.82,828.96 C6.2@1097.06,828.96 1097.06,855.69 1118.9,877.53 1285.06,877.53 1308.06,854.53 R5.2@1308.06,829.2 1348.77,829.2 1365.06,812.91 1365.06,588.62 ; R4.2@1268.06,587.87 1268.82,588.62 C7.1@1329.06,588.62 1365.06,588.62 ; v1(1518.06,266.53) 1395.06,266.53 1365.06,296.53 1365.06,588.62
XT1: C33.2 U3.48 Y1.2 | length 317
  Top Layer w8: C33.2@274.43,883.53 Y1.2@349.43,883.53 363.43,897.53 533.06,897.53 545.42,885.17 U3.48@545.42,850.11
XT2: C34.2 U3.49 Y1.1 | length 198.6
  Top Layer w10: C34.2@274.43,783.53 276.01,785.11 Y1.1@349.43,785.11 363.16,771.38 U3.49@466.69,771.38
pads on no net: LABEL1.0 LABEL1.1 LABEL2.0 LABEL2.1 U1.2 U1.3 U1.4 U1.5 U1.6 U1.8 U1.9 U1.16 U1.19 U1.20 U1.21 U1.22 U1.23 U1.26 U1.28 U1.29 U1.30 U1.31 U1.32 U1.33 U1.38 U1.39 U1.44 U1.49 U1.50 U1.51 U1.52 U1.53 U1.54 U1.55 U1.56 U1.57 U1.58 U1.59 U1.60 U1.61 U1.62 U1.63 U1.64 U1.65 U1.66 U1.67 U1.68 U1.69 U1.74 U1.75 U1.76 U1.77 U1.78 U1.80 U1.81 U1.82 U1.83 U1.84 U1.85 U1.86 U1.87 U1.96 U1.97 U1.98 U1.99 U1.100 U1.101 U1.102 U1.103 U1.104 U1.105 U1.106 U1.107 U1.108 U1.109 U2.4 U2.5 U3.9 U3.16 U3.21 U3.24 U3.26 U3.27 U3.28 U3.35 U3.36 U3.37 U3.38 U3.40 U3.41 U3.43 U3.47 U3.57 U3.62

## Polygon pours and split planes (outlines as drawn)
GND on Top Layer "GND_L01_P010" (solid, remove dead copper, pour order 10): 1198.06,3156.53 1111.87,3070.34 1111.87,2379.63 -3.94,2379.63 -3.94,1694.6 460.65,1694.6 460.65,1179.41 342.48,1061.25 -3.95,1061.25 -3.95,73.02 69.07,-0.01 2235.89,-0.01 2235.89,525.54 2409.51,699.17 2409.51,1169.67 2245.18,1334 2051.18,1334 2051.18,1962 2169.29,1962 2169.29,2469.14 1882.06,2469.14 1882.06,2866.53 1593.6,3155
GND on Bottom Layer "GND_L02_P014" (solid, remove dead copper, pour order 14): 1198.06,3156.53 1111.87,3070.34 1111.87,2379.63 -3.94,2379.63 -3.94,1694.6 460.65,1694.6 460.65,1179.41 342.48,1061.25 -3.95,1061.25 -3.95,73.02 69.07,-0.01 2235.89,-0.01 2235.89,525.54 2409.51,699.17 2409.51,1169.67 2245.18,1334 2051.18,1334 2051.18,1962 2169.29,1962 2169.29,2469.14 1882.06,2469.14 1882.06,2866.53 1593.6,3155

## Keep-outs
Keep-Out Layer:
  circle w10: c968.5,2261.51 r51.18
  circle w10: c1409.06,2821.53 r43.31
  circle w10: c2090.54,2261.51 r47.24
  circle w10: c968.5,2261.51 r51.18
  circle w10: c1409.06,2821.53 r43.31
  circle w10: c4700.78,2261.51 r47.24
  circle w10: c3578.73,2261.51 r51.18
  circle w10: c4019.3,2821.53 r43.31
  circle w10: c7311.02,2261.51 r47.24
  circle w10: c6188.97,2261.51 r51.18
  circle w10: c6629.54,2821.53 r43.31
  circle w10: c9921.25,2261.51 r47.24
  circle w10: c8799.21,2261.51 r51.18
  circle w10: c9239.77,2821.53 r43.31
  lines w10: 0,197.16 0,1061.29 342.52,1061.29 ccw(c342.54,1179.4) 460.65,1179.4 460.65,1694.6 0,1694.6 0,2380 1111.87,2380 1111.87,2711.53 ; 0,229 0,118 ccw(c118.11,118) 118.11,-0.11 ; 1048.06,3156.53 1048.06,2468 0,2468 0,3156.53 ; 1111.87,2379.63 1111.87,2711.53 ; 1672.79,3156.54 1735.79,3093.54 1735.79,3018.54 1873.45,2880.87 1962.79,2680.22 1962.79,2539 2271.65,2539 2271.65,2468 3658.3,2468 3658.3,3156.53 ; 2169.29,1962 2169.29,2469.14 1882.06,2469.14 1882.06,2680.22 1792.73,2880.87 1655.06,3018.53 1655.06,3093.53 1592.06,3156.53 ; 2169.67,1962 2051.56,1962 2051.56,1330.59 2248.97,1330.59 ; 2248.59,1330.59 ccw(c3015.74,1688.32) 2409.25,1097.84 ; 2314.65,0 2314.65,560.58 2365.06,611 2527.56,611 2527.56,0 ; 2409.45,699.33 2409.45,1098.03 ; 2409.51,699.17 ccw(c2570.86,318.57) 2157.47,318.57 ccw(c2570.84,318.57) 2235.89,76.31 2235.89,-0.01 ; 2472.43,3156.53 3674.44,3156.53 ; 2606.29,3156.53 3808.3,3156.53 ; 2610.23,197.17 2610.23,1061.3 2952.75,1061.3 ccw(c2952.77,1179.41) 3070.88,1179.41 3070.88,1694.61 2610.23,1694.61 2610.23,2380.01 3722.1,2380.01 3722.1,2380.01 3722.1,2711.53 3722.1,3070.34 3808.3,3156.53 ; 2610.23,229.01 2610.23,118.01 ccw(c2728.34,118.01) 2728.34,-0.1 ; 2881.88,3156.53 1592.06,3156.53 ; 3803.28,0 4062.3,0 4767.69,0 4846.12,0 ; 3803.3,0 2803.44,0 2606.3,0 2235.88,0 ; 4145.79,2557.99 4236.34,2557.99 4236.36,2424.13 4145.8,2424.13 4145.8,2557.97 ; 4283.02,3156.54 4346.02,3093.54 4346.02,3018.54 4483.69,2880.87 4573.02,2680.22 4573.02,2539 4881.89,2539 4881.89,2468 6268.54,2468 6268.54,3156.53 ; 4924.88,0.01 4924.88,560.59 4975.3,611.01 5137.79,611.01 5137.79,0.01 ; 5019.31,1098.03 cw(c5625.98,1688.32) 4858.83,1330.59 4661.42,1330.59 4661.42,1962 4779.52,1962 4779.52,2469.14 4492.3,2469.14 4492.3,2680.22 4402.96,2880.87 4265.3,3018.53 4265.3,3093.53 4202.3,3156.53 ; 5019.69,699.33 5019.69,1098.03 ; 5019.75,699.17 ccw(c5181.1,318.57) 4767.71,318.57 ccw(c5181.08,318.57) 4846.12,76.31 4846.12,-0.01 ; 5216.53,3156.53 6418.54,3156.53 ; 5220.47,197.17 5220.47,1061.3 5562.99,1061.3 ccw(c5563,1179.41) 5681.11,1179.41 5681.11,1694.61 5220.47,1694.61 5220.47,2380.01 6332.33,2380.01 6332.34,2380.01 6332.34,2711.53 6332.34,3070.34 6418.54,3156.53 ; 5220.47,229.01 5220.47,118.01 ccw(c5338.58,118.01) 5338.58,-0.1 ; 5492.11,3156.53 4202.3,3156.53 ; 6756.02,2557.99 6846.57,2557.99 ; 6756.04,2557.97 6756.04,2424.13 6846.59,2424.13 6846.59,2557.97 ; 6893.26,3156.54 6956.26,3093.54 6956.26,3018.54 7093.92,2880.87 7183.26,2680.22 7183.26,2539 7492.13,2539 7492.13,2468 8878.77,2468 8878.77,3156.53 ; 7377.93,318.57 ccw(c7791.31,318.57) 7456.36,76.31 7456.36,-0.01 ; 7377.95,318.57 cw(c7791.33,318.57) 7629.99,699.17 ; 7535.11,0.01 7535.11,560.59 7585.53,611.01 7748.03,611.01 7748.03,0.01 ; 7629.54,1098.03 cw(c8236.21,1688.32) 7469.06,1330.59 7271.65,1330.59 7271.65,1962 7389.76,1962 7389.76,2469.14 7102.54,2469.14 7102.54,2680.22 7013.2,2880.87 6875.54,3018.53 6875.54,3093.53 6812.54,3156.53 ; 7629.92,699.33 7629.92,1098.03 ; 7826.76,3156.53 9028.77,3156.53 ; 7830.71,197.16 7830.71,1061.29 8173.23,1061.29 ; 7830.71,229 7830.71,118 ccw(c7948.82,118) 7948.82,-0.11 ; 8102.35,3156.53 6812.54,3156.53 ; 8173.24,1061.29 ccw(c8173.24,1179.4) 8291.35,1179.4 8291.35,1694.6 7830.71,1694.6 7830.71,2380 8942.57,2380 8942.57,2711.53 8942.57,3070.34 9028.77,3156.53 ; 9503.5,3156.54 9566.5,3093.54 9566.5,3018.54 9704.16,2880.87 9793.5,2680.22 9793.5,2539 10000,2539 10000,3156.53 9422.77,3156.53 ; 10000,3154 10000,3273 0,3273 0,3156.53 ; 10239.78,1098.03 cw(c10846.45,1688.32) 10079.3,1330.59 9881.89,1330.59 9881.89,1962 10000,1962 10000,2469.14 9712.77,2469.14 9712.77,2680.22 9623.43,2880.87 9485.77,3018.53 9485.77,3093.53 9422.77,3156.53 ; 10240.16,699.33 10240.16,1098.03 ; 10240.22,699.17 ccw(c10401.57,318.57) 9988.18,318.57 ccw(c10401.55,318.57) 10066.59,76.31 10066.59,-0.01 ; 0,3156.53 1198.06,3156.53 ; 1111.87,2711.53 1111.87,3070.34 1198.06,3156.53 ; 1198.06,3156.53 1592.06,3156.53 ; 2235.88,0 2157.46,0 1452.06,0 1193.05,0 193.2,0 0,0 0,-118.11 10066.59,-118.11 10066.59,0 ; 3808.3,3156.53 4202.3,3156.53 ; 4846.12,0 5216.54,0 5413.68,0 6413.54,0 6672.54,0 7377.93,0 7456.35,0 ; 6418.54,3156.53 6812.54,3156.53 ; 7456.35,0 7826.77,0 8023.91,0 9023.77,0 9282.77,0 9988.17,0 10066.59,0 ; 9028.77,3156.53 9422.77,3156.53 ; 1535.57,2424.13 1626.12,2424.13 1626.12,2557.97 1535.55,2557.99 1535.57,2424.13 ; 9366.28,2424.13 9366.28,2557.97 9456.81,2557.99 9456.83,2424.13 9366.28,2424.13

## Other copper
Top Layer:
  rectangle net VBAT: 1941.06,1527.51 2024.59,1601
  region net VBAT: 1881.06,1568 1881.06,1471 1898.06,1454 1898.06,1305 1904.06,1299 1966.62,1299 2002.06,1263.56 2002.06,1172 2046.06,1128 2253.06,1128 2300.06,1081 2300.06,937 2354.06,937 2354.06,1109 2287.06,1176 2071.06,1176 2054.06,1193 2054.06,1282 1982.06,1354 1982.06,1541 1955.06,1568
  region net VCC_M: 1533.06,1496 1533.06,1395 1581.06,1347 1581.06,1314 1618.06,1277 1748.06,1277 1778.06,1247 1778.06,1208 1782.06,1204 1845.06,1204 1845.06,1354 1834.06,1365 1781.06,1365 1776.06,1360 1776.06,1342 1759.06,1325 1642.06,1325 1630.06,1337 1630.06,1370 1580.06,1420 1580.06,1486 1570.06,1496
  region net NetC15_1: 1807.06,1832 1807.06,1474 1783.06,1450 1783.06,1383 1840.06,1383 1840.06,1432 1855.06,1447 1855.06,1822 1845.06,1832
  region net VCC_3.8V: 2147.06,878 2152.06,883 2195.06,883 2200.06,878 2200.06,812 2195.06,807 2151.06,807 2147.06,811
  region net VCC: 1715.06,2268 1715.06,2179 1743.06,2151 1805.06,2151 1817.06,2163 1817.06,2272 1808.06,2281 1728.06,2281
  pour cut-out: 1491.76,1003.5 1476.98,1003.5 1442.98,969.5
  pour cut-out: 2033.12,1012.66 2047.9,1012.66 2081.9,978.66
  pour cut-out: 2058.06,506.93 2058.06,492.14 2024.06,458.14
  pour cut-out: 1452.06,512.32 1452.06,497.53 1486.06,463.53
  pour cut-out: 1593.06,1755.53 1593.06,1575.53 1428.06,1575.53 1428.06,1755.53
  region net VCC_3.8V: 1592.06,1565 1592.06,1535 1615.06,1512 1665.06,1512 1671.06,1518 1671.06,1556 1652.06,1575 1602.06,1575
  pour cut-out: 968.5,2163.1 cw(c968.5,2261.52) 870.07,2261.52 cw(c968.5,2261.52) 968.5,2359.95 cw(c968.5,2261.52) 1066.93,2261.52 cw(c968.5,2261.52)
  pour cut-out: 2090.55,2163.1 cw(c2090.55,2261.52) 1992.12,2261.52 cw(c2090.55,2261.52) 2090.55,2359.95 cw(c2090.55,2261.52) 2188.97,2261.52 cw(c2090.55,2261.52)
Bottom Layer:
  rectangle net NetL1_2: 1554.06,1697.53 1640.06,1744.53
  rectangle net VCC_M: 1554.06,1592.53 1640.06,1639.53
  rectangle net VCC_M: 736.06,1204 753.06,1267.53
  rectangle net VCC: 812.06,1218.55 829.06,1268.55
  rectangle net AIN8: 737.06,1319.53 753.06,1380.53
  rectangle net VCC_3.8V: 1655.06,1530.53 1677.06,1614.53
  region net VCC_3.8V: 2051.06,873 2194.06,873 2200.06,867 2200.06,828 2195.06,823 2051.06,823
  pour cut-out: 2101.06,1123.53 2051.06,1123.53 2051.06,1064.53 2051.89,1063.71 2100.92,1063.71
  pour cut-out: 1591.06,1755.53 1591.06,1575.53 1426.06,1575.53 1426.06,1755.53
  pour cut-out: 1587.06,1758.03 1587.06,1578.03 1422.06,1578.03 1422.06,1758.03
  region net VCC_M: 1467.06,1599 1482.06,1614 1538.6,1614 1565.06,1587.53 1565.06,1404 1554.06,1393 1480.06,1393 1467.06,1406
  region net VCC_3.8V: 1677.06,1575 1688.06,1564 1688.06,1529 1681.06,1522 1606.06,1522 1592.06,1536 1592.06,1565 1602.06,1575
  pour cut-out: 968.5,2163.1 cw(c968.5,2261.52) 870.07,2261.52 cw(c968.5,2261.52) 968.5,2359.95 cw(c968.5,2261.52) 1066.93,2261.52 cw(c968.5,2261.52)
  pour cut-out: 2090.55,2163.1 cw(c2090.55,2261.52) 1992.12,2261.52 cw(c2090.55,2261.52) 2090.55,2359.95 cw(c2090.55,2261.52) 2188.97,2261.52 cw(c2090.55,2261.52)
  pour cut-out: 1012.07,1746.98 cw(c1012.07,1867.82) 891.23,1867.82 cw(c1012.07,1867.82) 1012.07,1988.66 cw(c1012.07,1867.82) 1132.91,1867.82 cw(c1012.07,1867.82)
Multi-Layer:
  pour cut-out: 1926.06,0.53 1926.06,151.53 2074.06,151.53 2074.06,0
  pour cut-out: 1018.21,1717.52 cw(c1018.21,1857.6) 878.13,1857.6 cw(c1018.21,1857.6) 1018.21,1997.68 cw(c1018.21,1857.6) 1158.29,1857.6 cw(c1018.21,1857.6)

## Silkscreen, mask and mechanical layers (free items; w line width, h text height)
Top Overlay:
  circle w3: c2090.55,2261.52 r98.43
  circle w3: c968.5,2261.52 r147.64
  lines w0.5: 270.18,1761.98 cw(c270.18,1860.41) 270.18,1958.83 506.4,1958.83 cw(c506.4,1860.41) 506.4,1761.98 270.18,1761.98
  text "V" at 1822.06,2676.53 h50 r24
  text "T" at 1758.06,2644.53 h50 r24
  text "G" at 1679.06,2613.53 h50 r24
  text "P" at 1616.06,2586 h50 r24
  text "D" at 1587.06,2574 h50 r24
  text "T" at 1900.06,2320.53 h25
  text "R" at 2002.06,2320.53 h25
  text "G" at 2106.06,2320.53 h25
  text "白" at 239.06,1724.53 h50
  text "红" at 373.06,1724 h50
  text "黑" at 501.06,1722.53 h50
  text "-" at 2013.06,1713 h100
  text "电池" at 1918.06,1465 h50
  text "+" at 1995.06,1438 h100
  text "WLWc1-WP7" at 1029.06,1060 h40 r90
  text "V1.0" at 1143.06,1058 h40 r90
  text "WX0.011.103PCB-4.2" at 917.06,1057 h40 r90
  text "102010602-0012" at 977.06,1055 h40 r90
  text "2025.9.26" at 1088.06,1053 h40 r90
  text "+" at 2227.06,946 h100
  text "C" at 122.06,914.53 h40
  text "O" at 221.81,914.53 h40
  text "G" at 323.56,914.53 h40
  text "R" at 425.31,914.53 h40
  text "B" at 527.06,914.53 h40
  text "-" at 2235.06,824 h100
  text "V" at 128.06,783 h25
  text "电容" at 2283.06,717 h50
  text "G" at 132.06,674 h25
  text "I" at 131.06,573.03 h25
  text "C" at 134.06,466 h25
  text "R" at 136.06,372 h25
Bottom Overlay:
  lines w0.5: 299.21,-78.74 299.21,157.48 358.26,157.48 358.26,-78.74 ; 299.21,39.37 358.26,39.37 ; 1263.78,106.3 1421.26,106.3 ; 1263.78,0 1421.26,0 1421.26,137.8 1263.78,137.8 1263.78,0
  text "-" at 2015.06,1726 h100
  text "+" at 1997.06,1451 h100
  text "+" at 2227.06,963 h100
  text "C" at 155.06,897.53 h50
  text "O" at 255.81,897.53 h50
  text "G" at 356.56,897.53 h50
  text "R" at 457.31,897.53 h50
  text "B" at 558.06,897.53 h50
  text "-" at 2235.06,841 h100
  text "V" at 146.06,783 h25
  text "G" at 153.06,675 h25
  text "I" at 140.73,570.28 h25
  text "C" at 156.06,471 h25
  text "R" at 150.06,373 h25
Mechanical 1:
  lines w0.5: 1048.94,2496.27 1139.57,2496.27 1139.57,2382.09 1049.02,2382.09 1048.94,2496.39 ; 1068.71,2382.09 1068.71,2496.27 ; 1100.2,2382.09 1100.2,2496.27 ; 1108.08,2351.72 1111.8,2342.72 ; 1108.08,2382.09 1108.08,2342.72 1186.82,2342.72 1186.82,2535.64 1108.08,2535.64 1108.08,2496.27 ; 1598.55,2432.01 1598.55,2550.12 ; 1598.55,2432.01 1598.55,2550.12 ; 1598.55,2432.01 1508,2432.01 1508,2550.12 1598.55,2550.12 ; 1547.37,2432.01 1547.37,2550.12 1547.37,2432.01 ; 1578.87,2432.01 1578.87,2550.12 1578.87,2432.01
Mechanical 5:
  circle w0.25: c1206.21,2897.64 r0.12
Mechanical 15:
  circle w0.5: c968.5,2261.52 r98.43
  circle w0.5: c1012.07,1867.82 r196.85
  lines w0.5: 968.48,2261.53 968.48,2456.12